# Altium PCB precursor_pvt2b.PcbDoc (part 1 of 7)
Units mm, origin at the board's own origin, x right, y up, seen from the top; angles counter-clockwise.
Board outline 62.8 x 62.65 mm, 6 copper layers (L1, L2, L3, L6, L7, L8), stack 0.693 mm thick; 424 components, 311 nets, 2038 pads, 2293 vias.
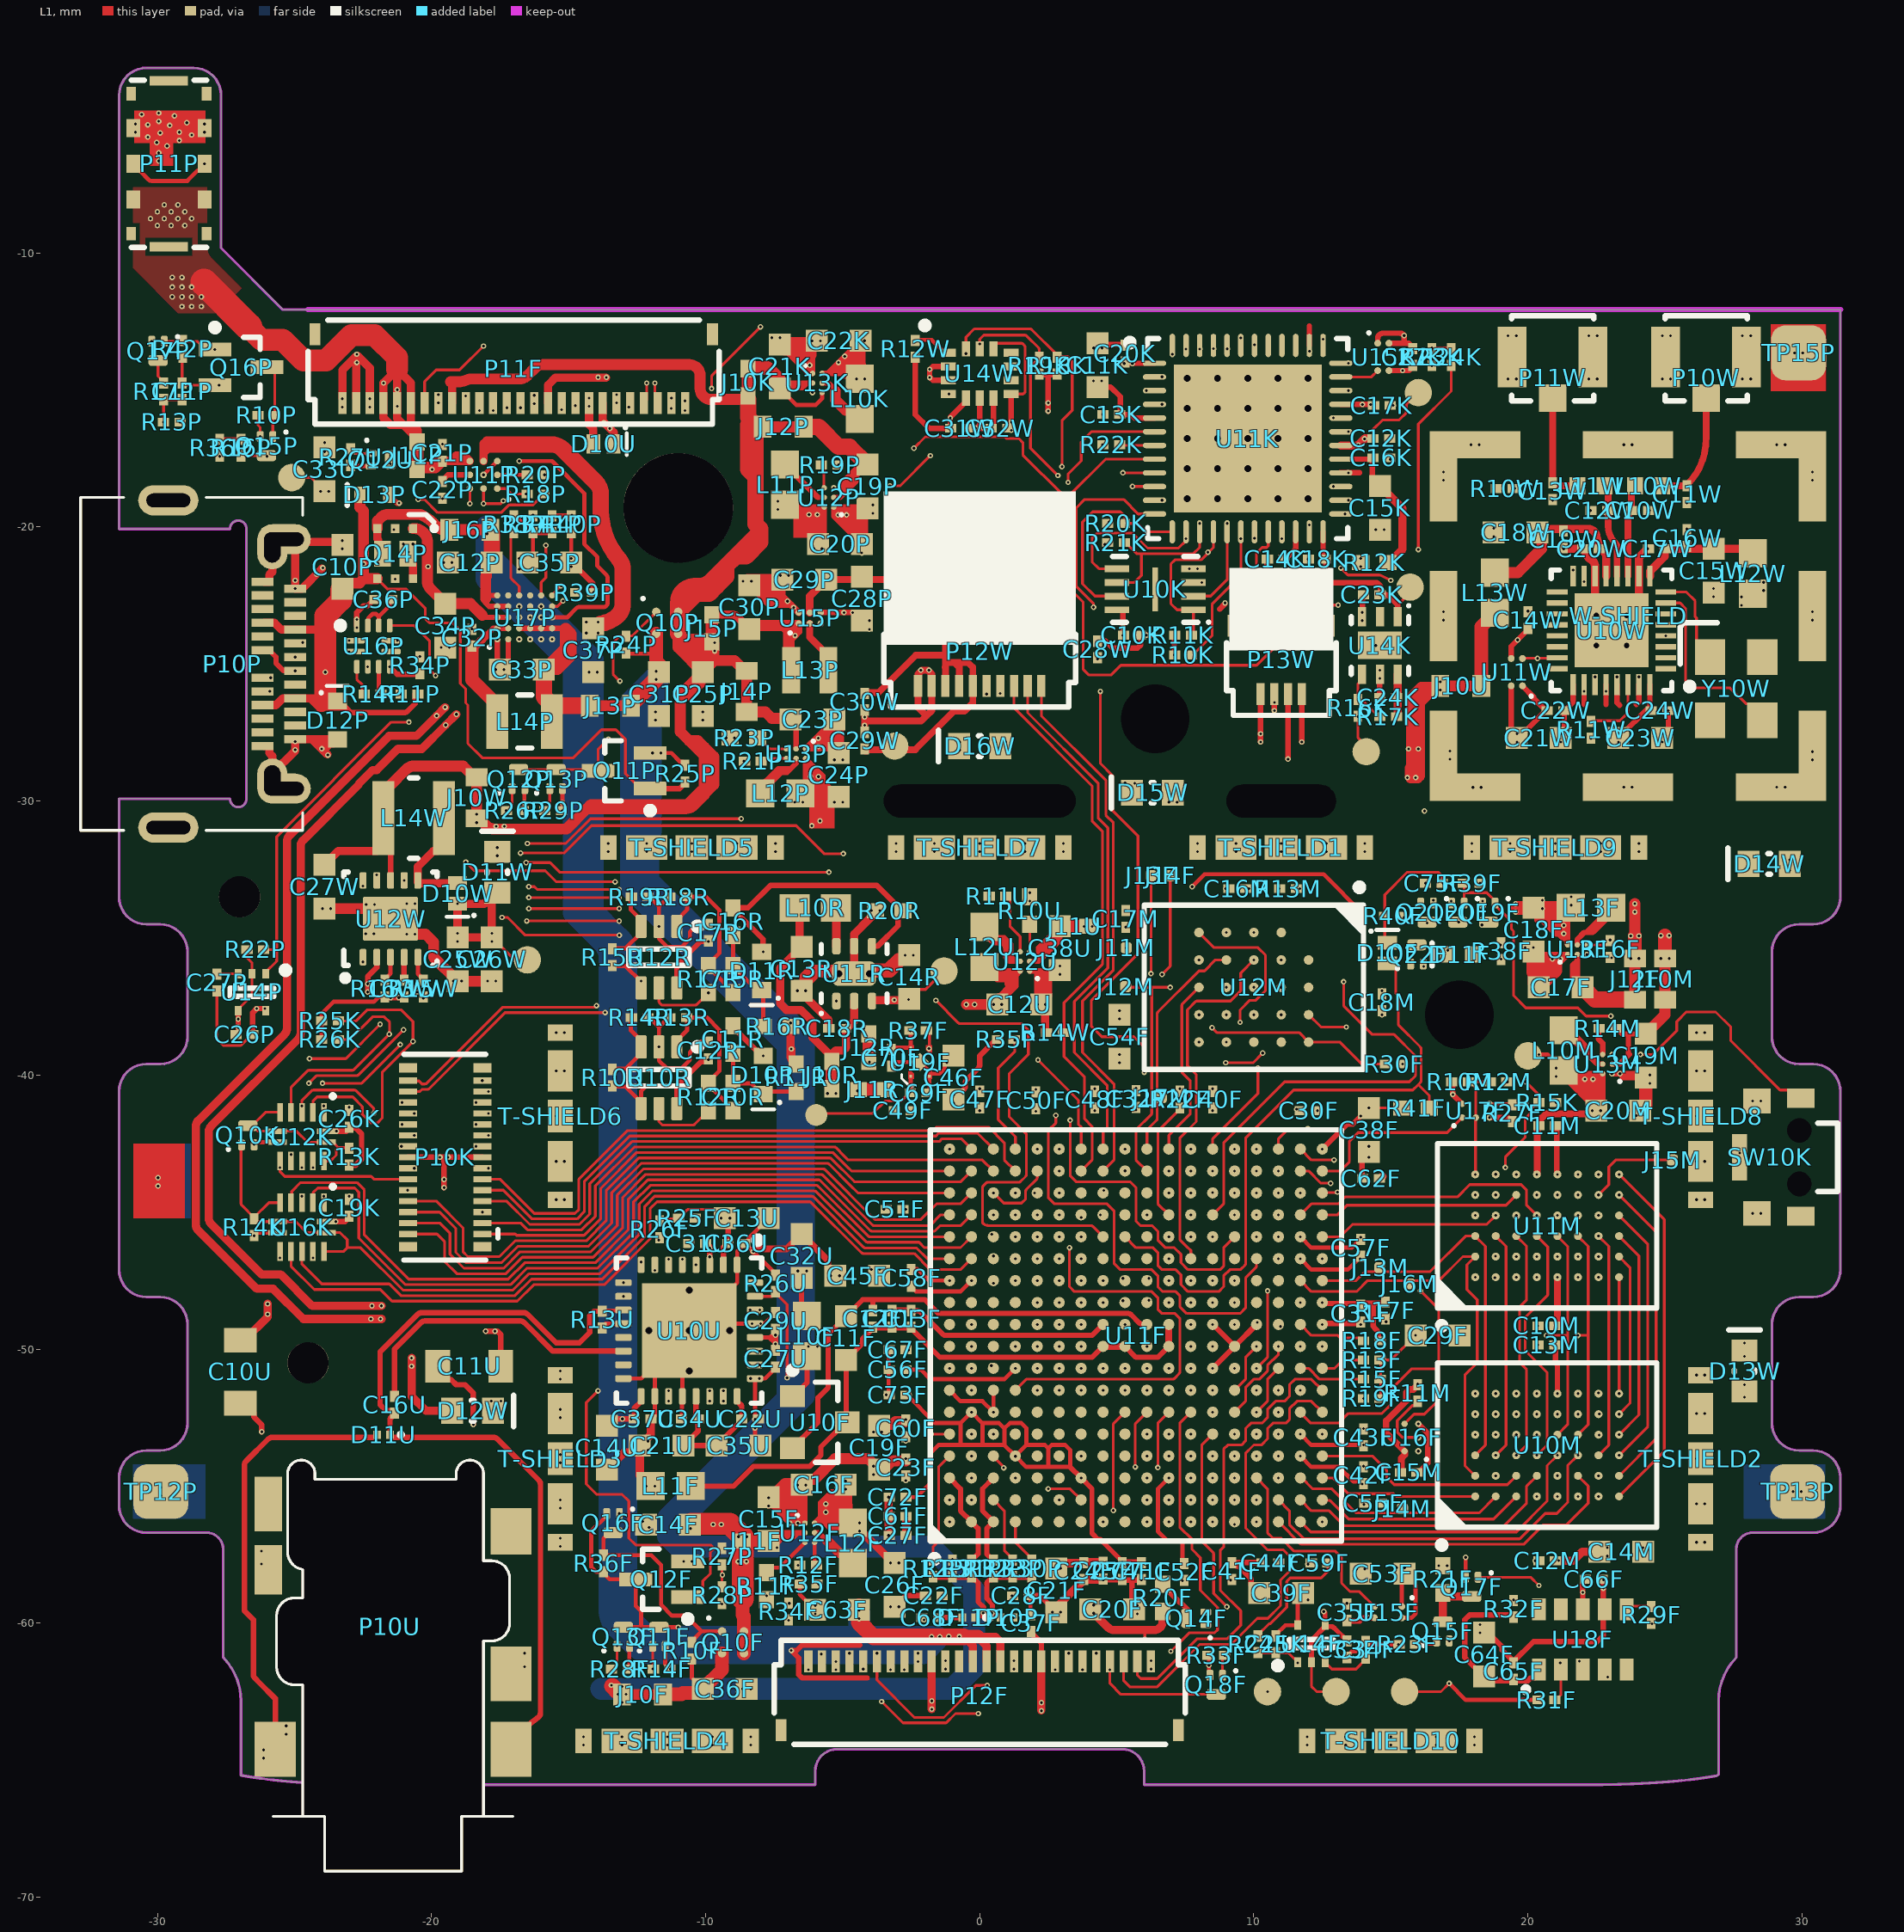
[diagram p0: L1 view]
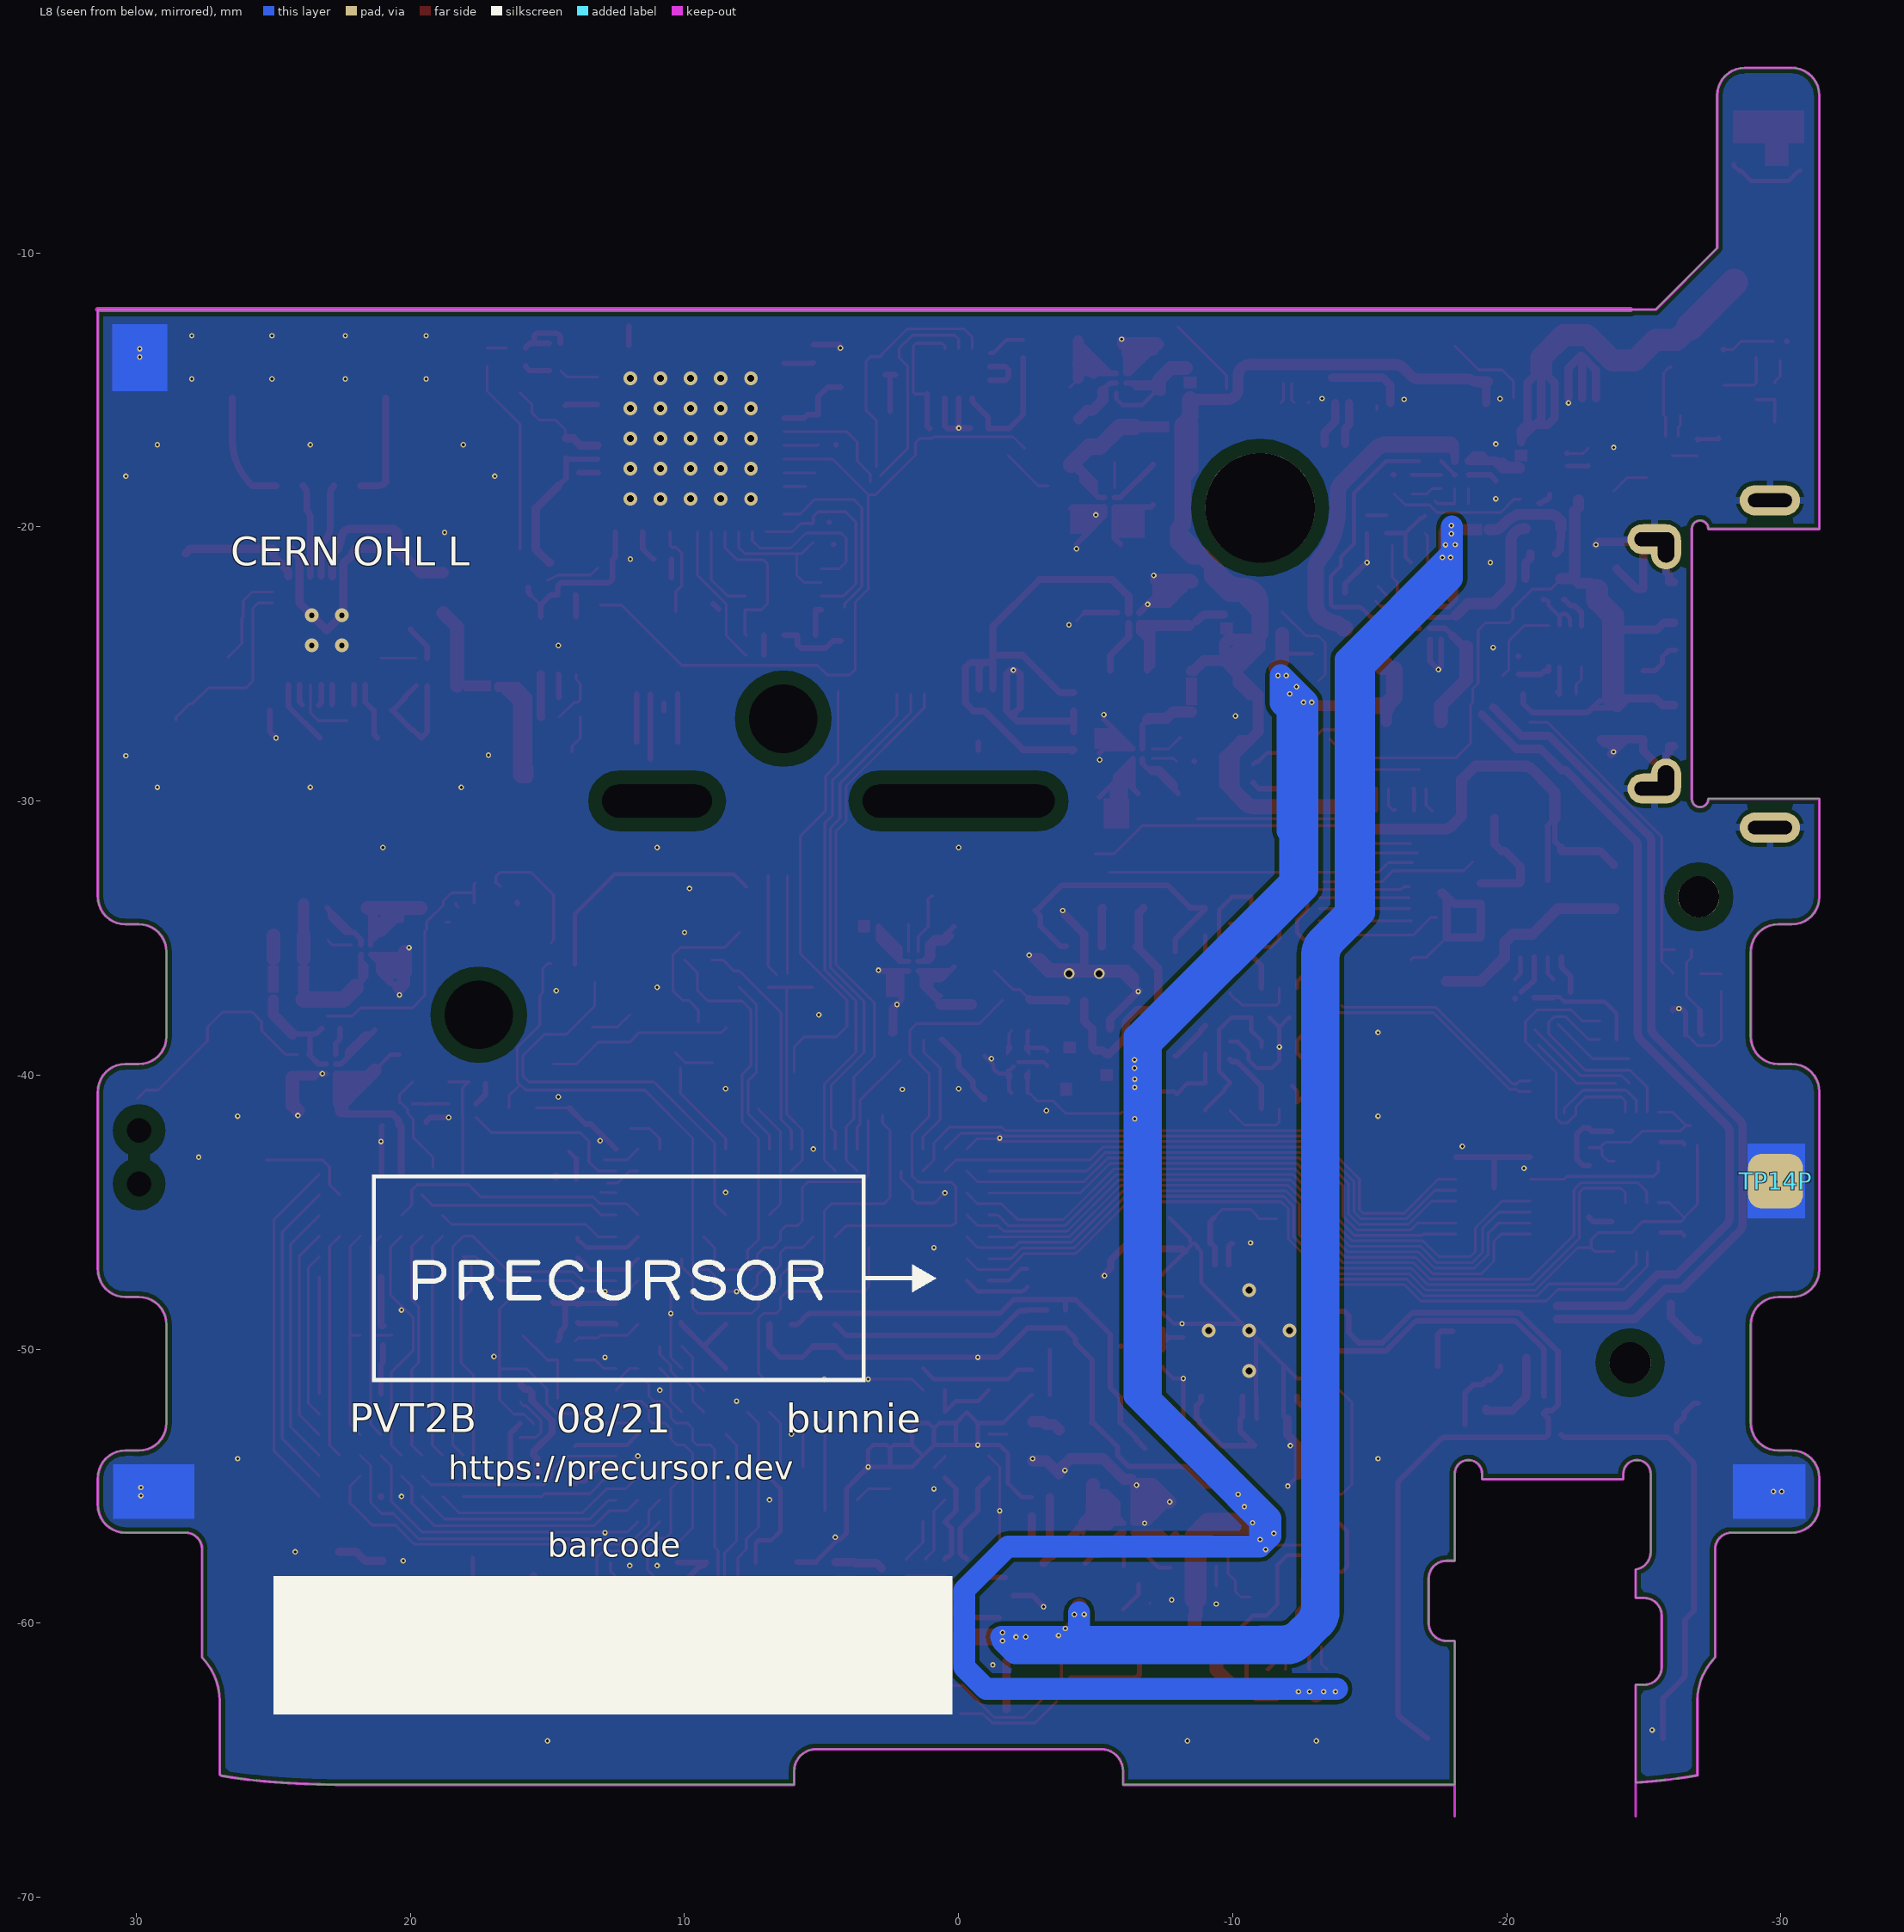
[diagram p1: L8 view, seen from below]
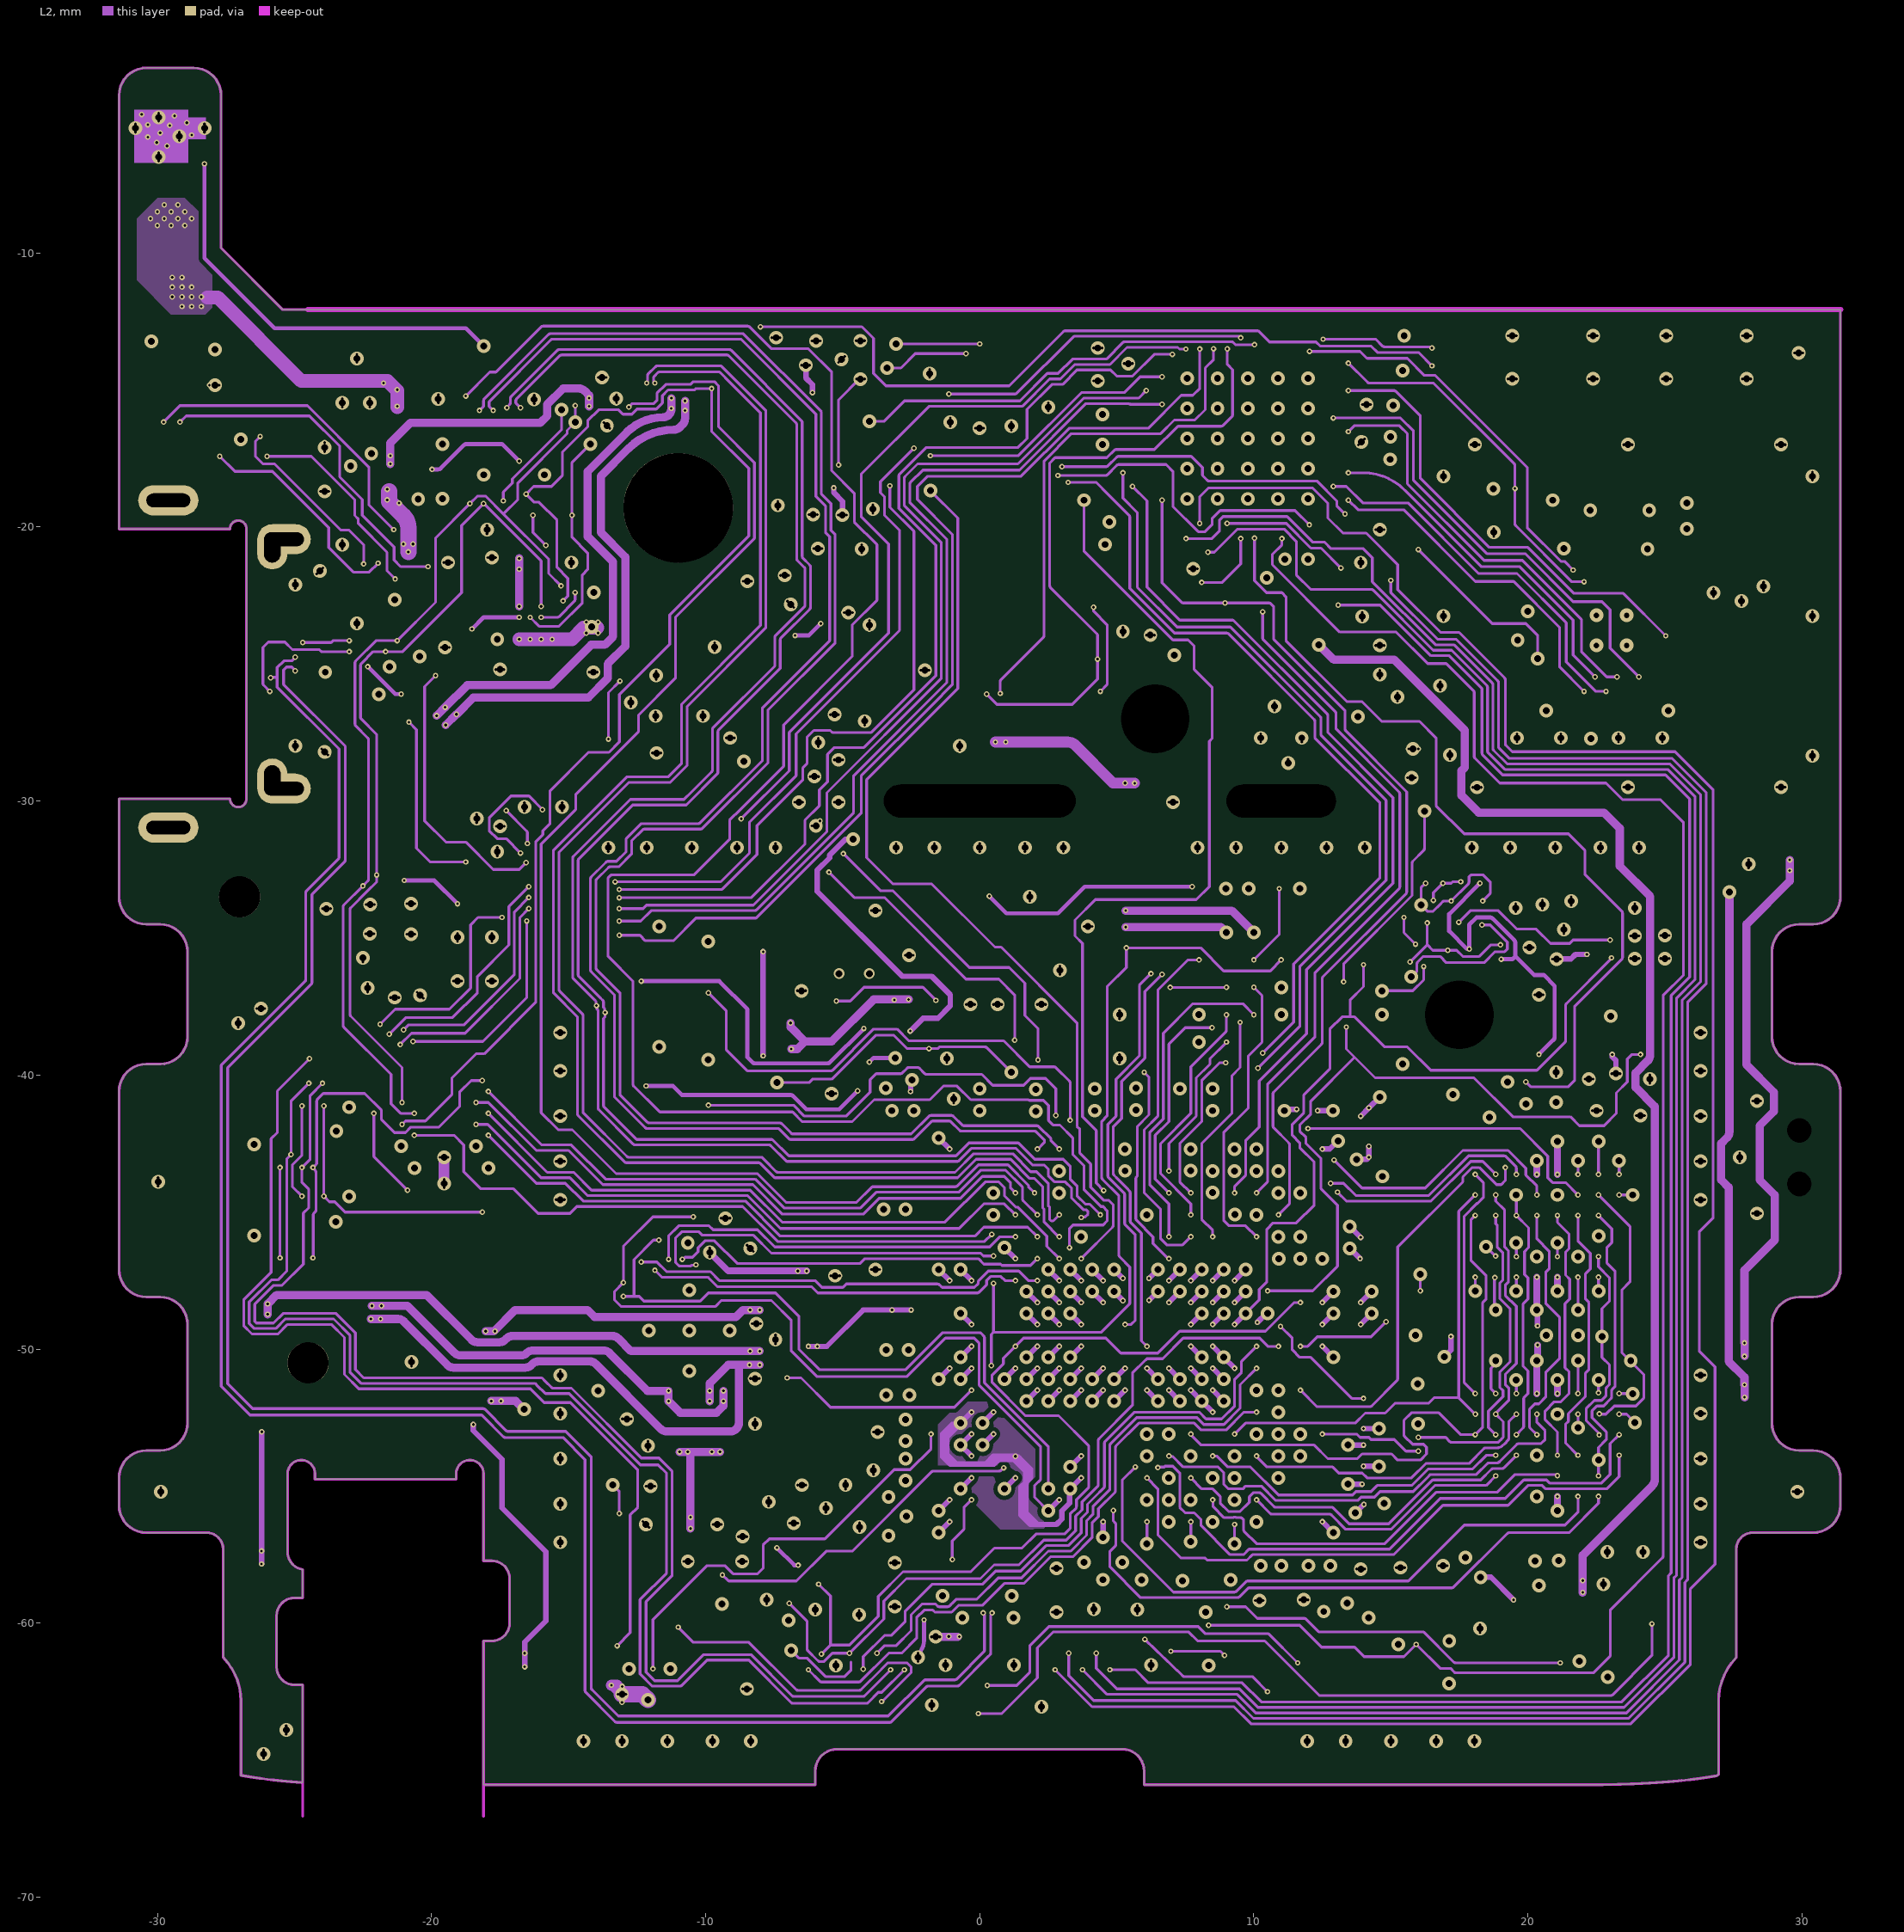
[diagram p2: L2]
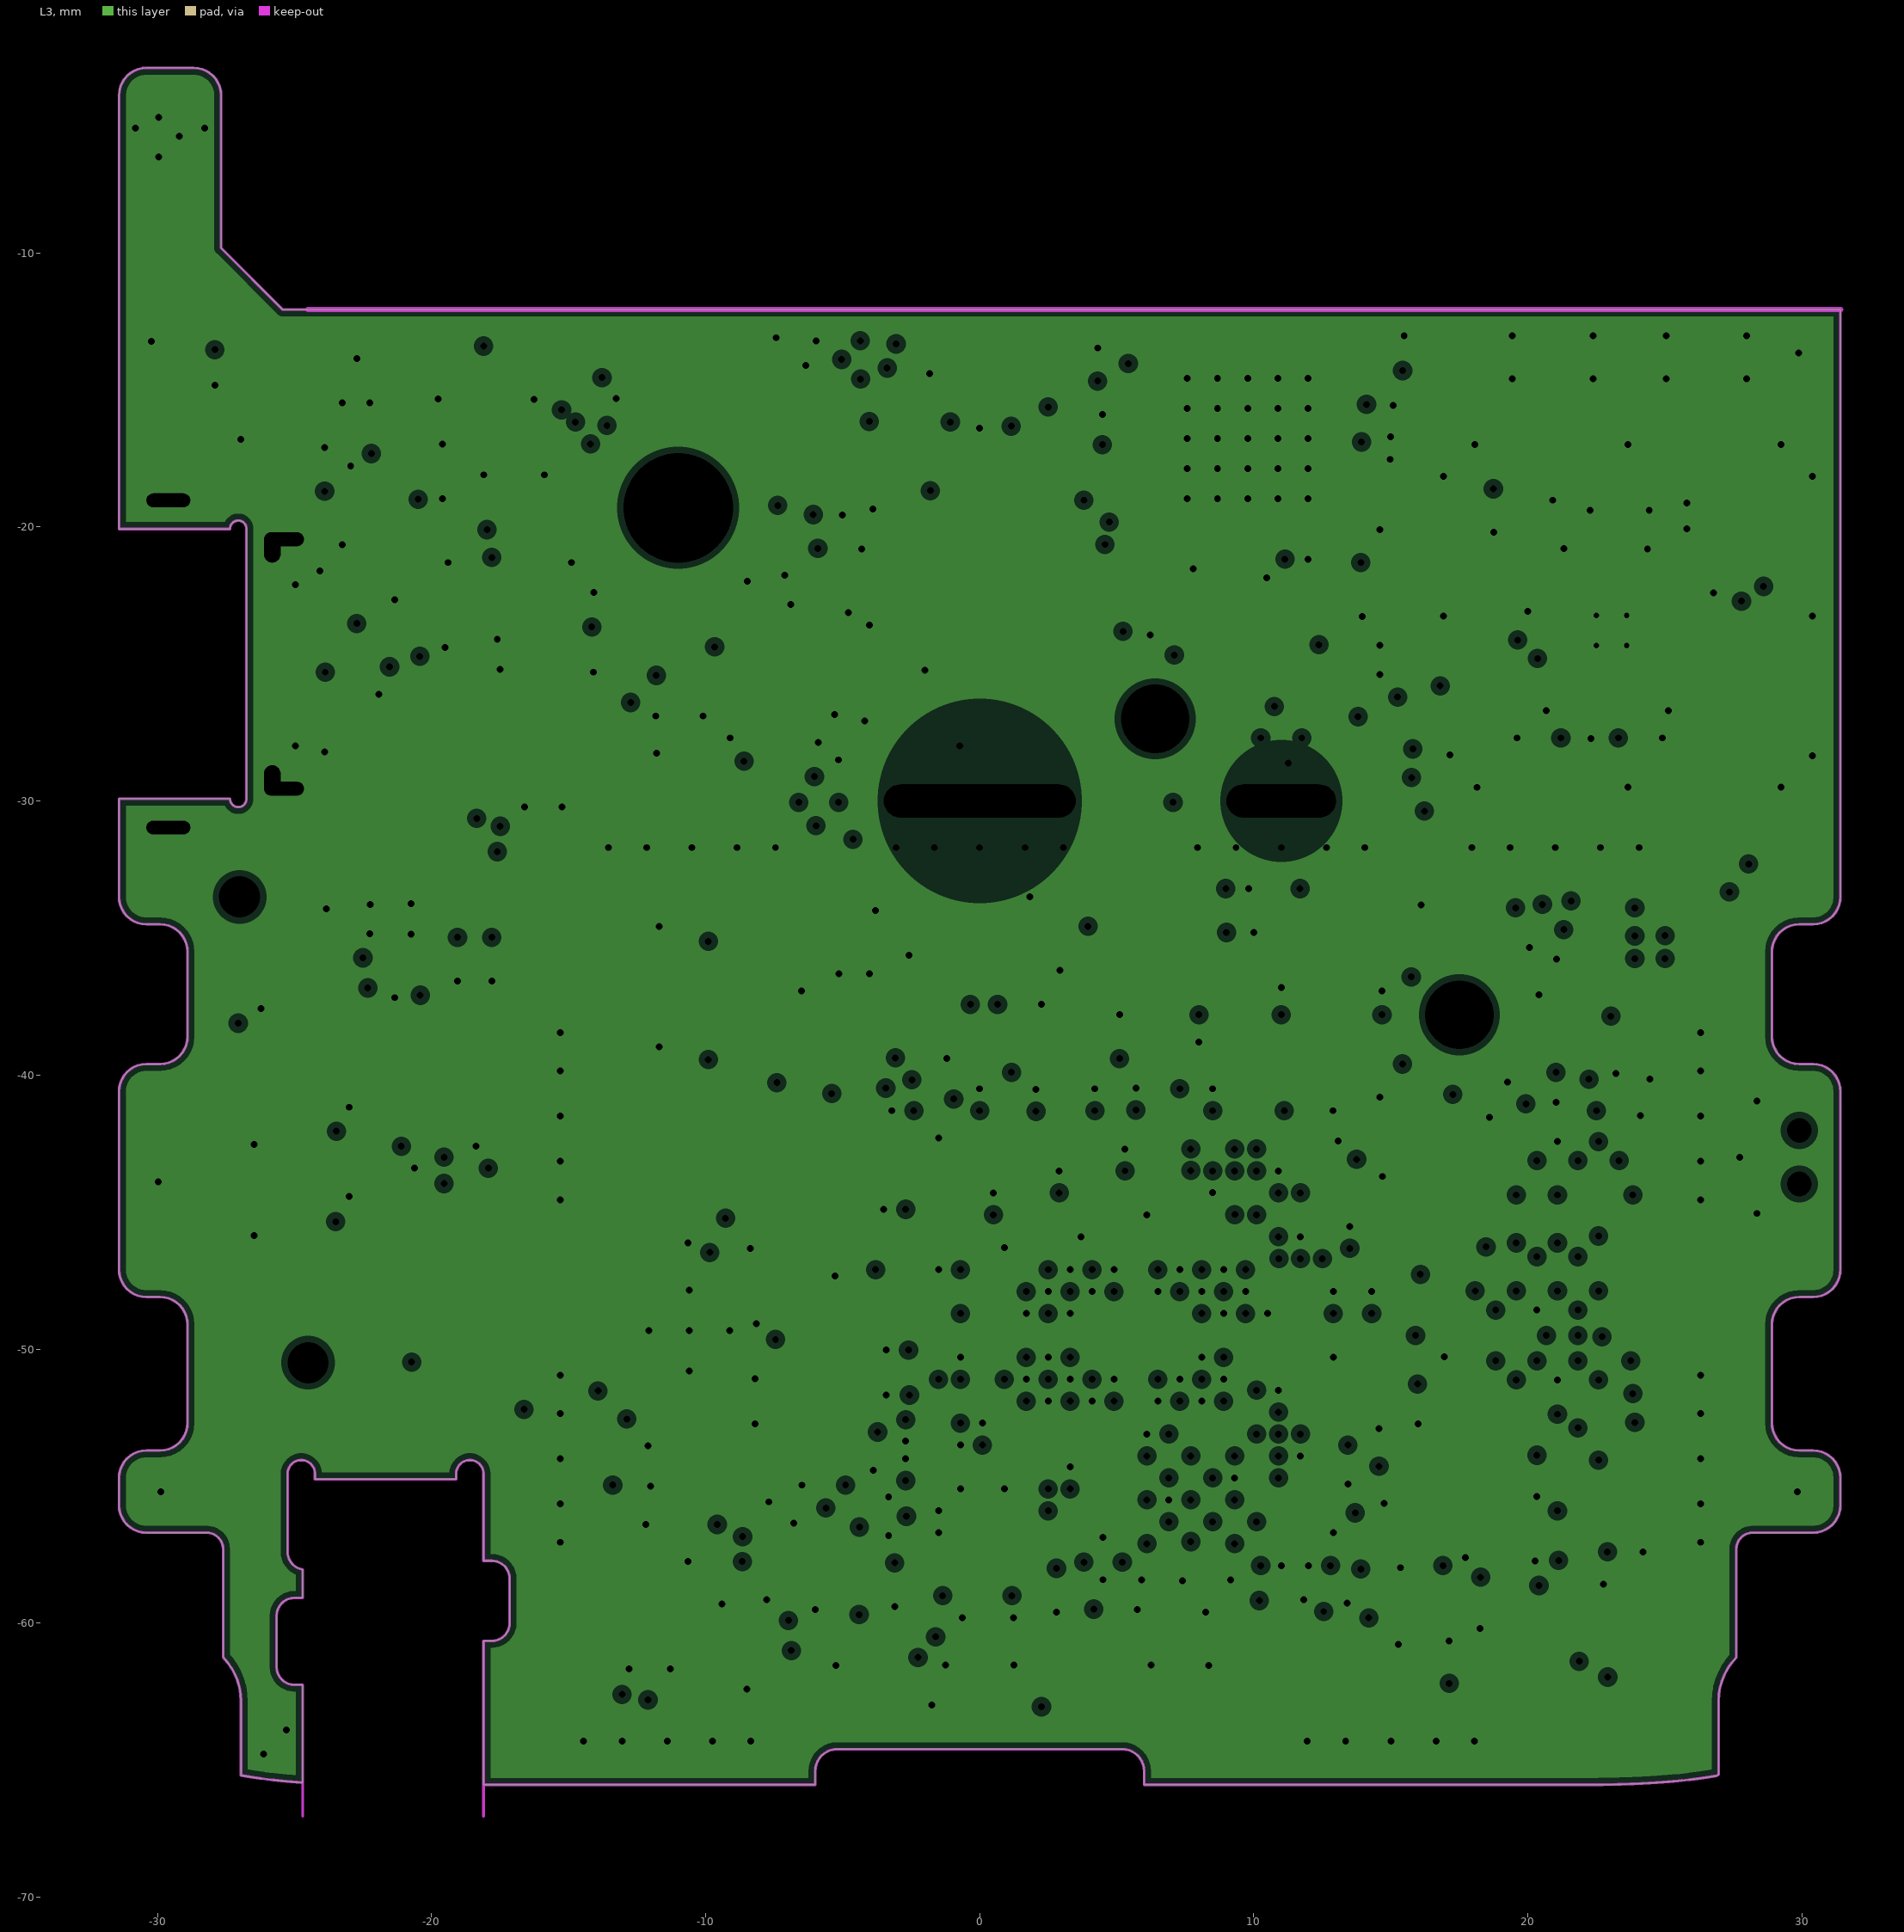
[diagram p3: L3, clearances drawn from the general rule]